# Altium PCB Stabiliser.PCBDOC (part 6 of 8) (continued)
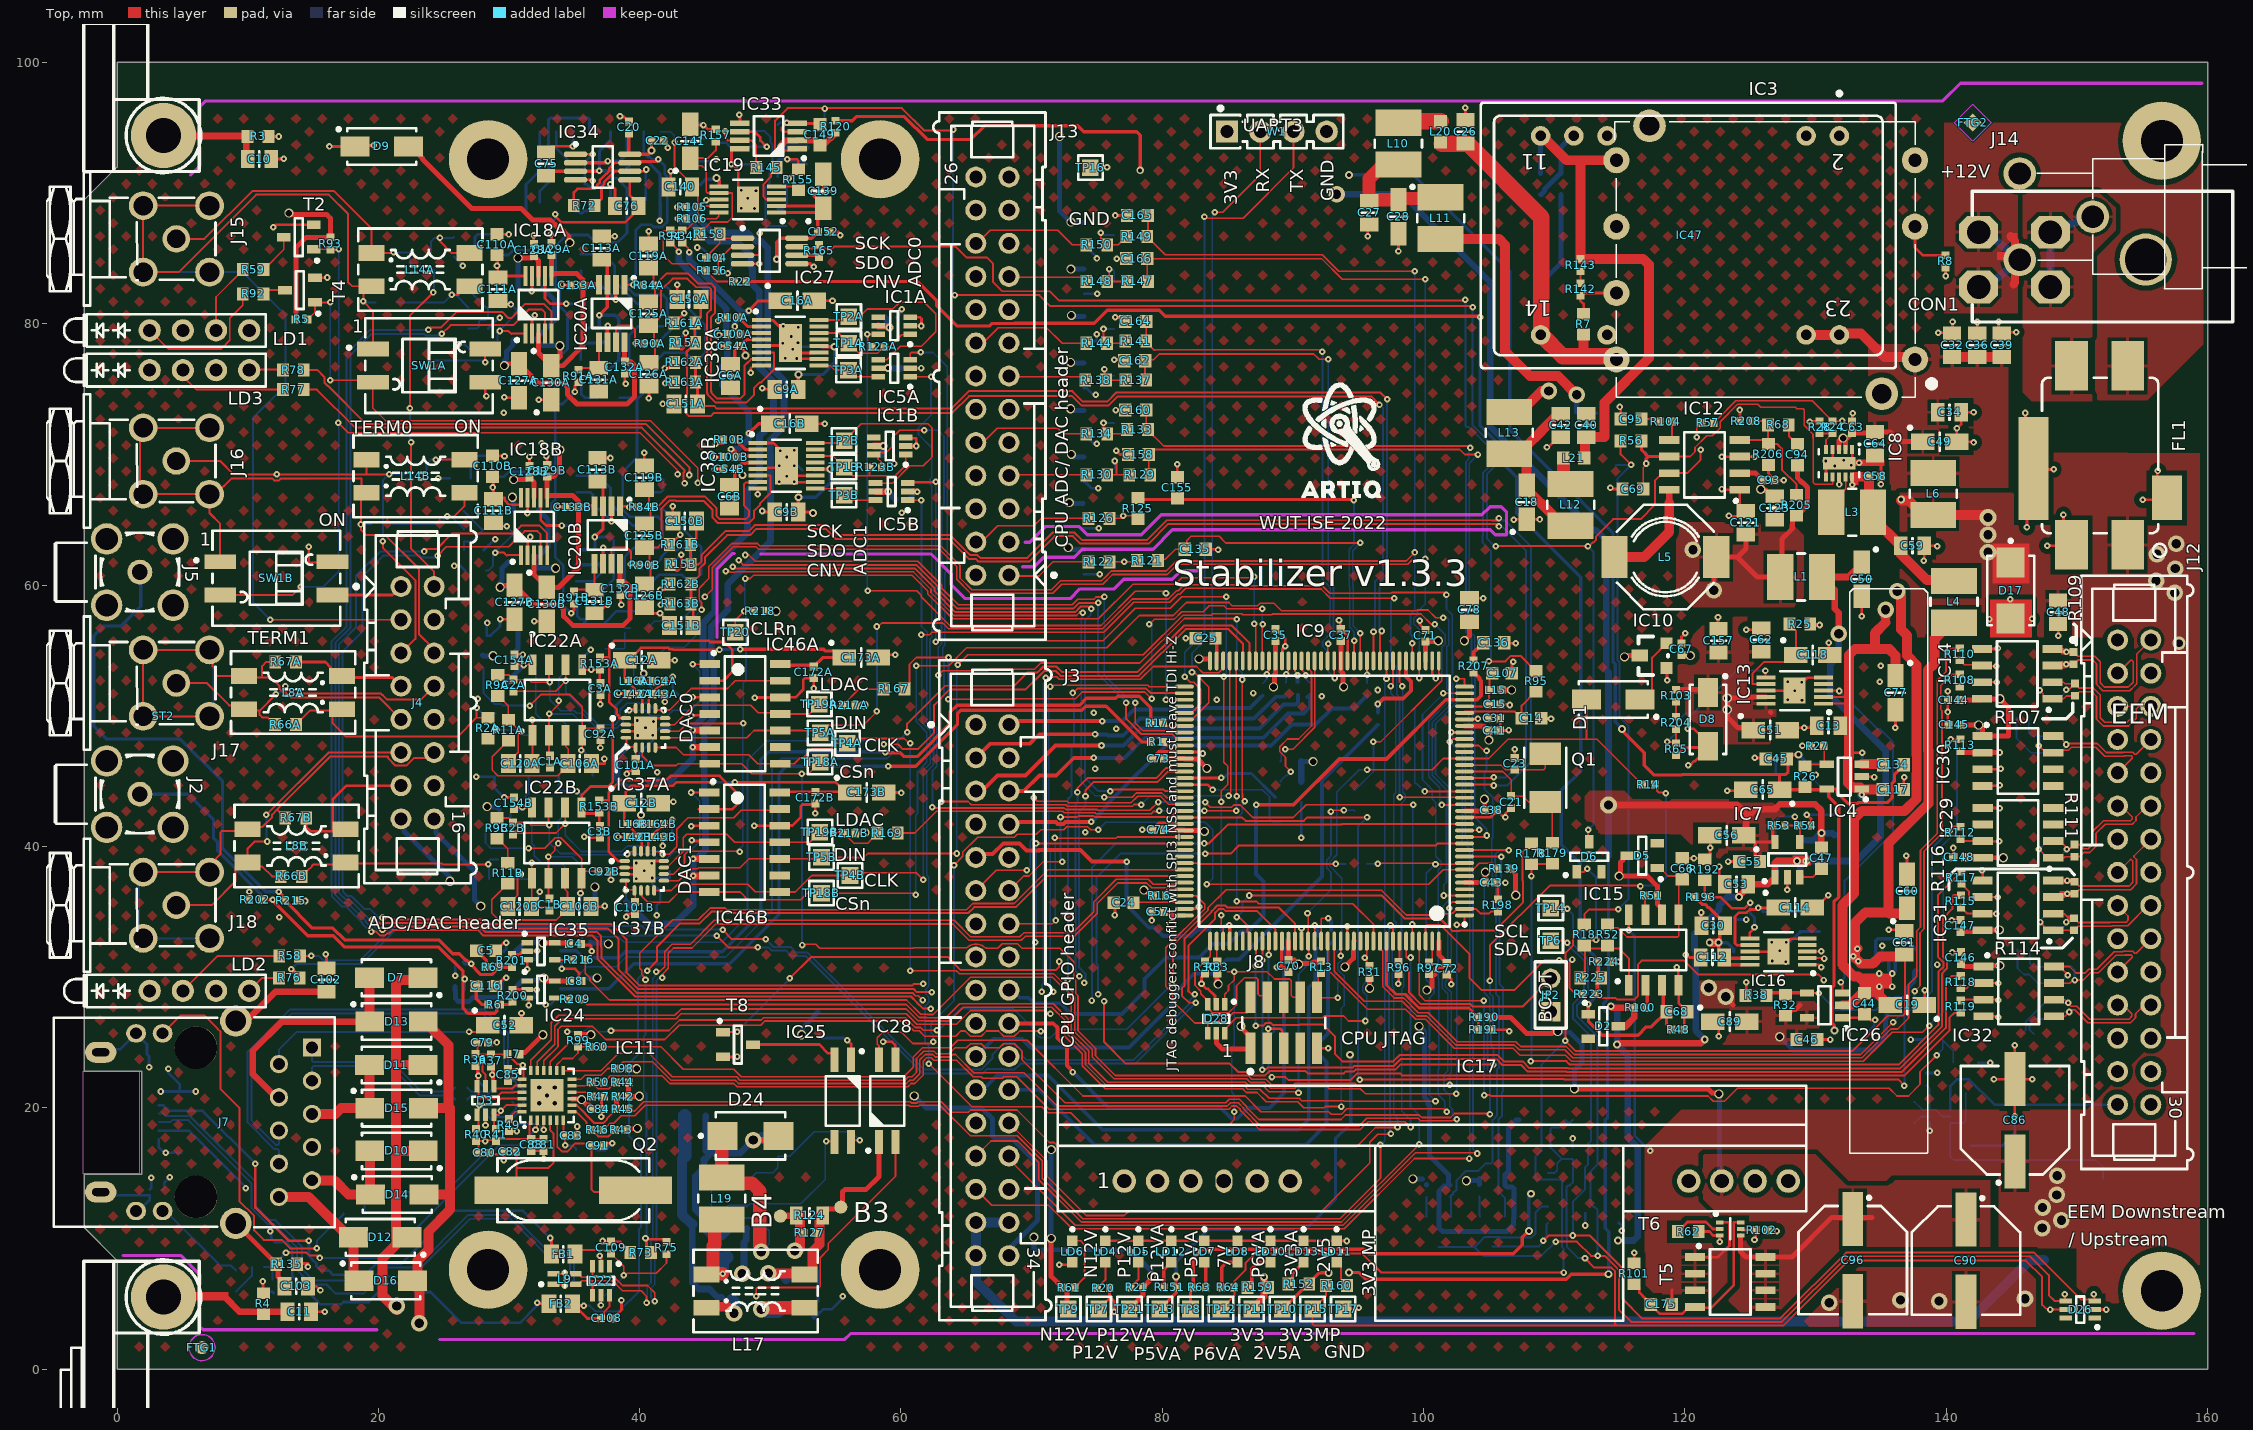
[diagram p0: Top view]
## Nets (pads, with @x,y where several pads share a name; then routed paths per layer and width w, separated by ;. In a path a pad name is that pad's centre, name@x,y a point inside that pad or via, vN(x,y) a via of type N, cw(c..) or ccw(c..) an arc to the next point about the centre after c; other vN are vias at no path point) (continued)
  L3 w0.508: v4(87.785,7.036) 89.179,7.036 90.627,8.484 111.46,8.484 113.161,10.185 113.669,10.185 113.992,9.863 114.862,9.863 v4(114.88,9.845)
  Bot w0.508: v4(114.325,27.771) 114.343,27.753 114.482,27.753 114.808,27.427 v4(114.808,24.841) 115.611,24.038 115.611,17.747 116.385,16.974 116.385,10.143 116.087,9.845 v4(114.88,9.845) ; v4(121.514,25.222) 120.816,25.92 120.816,31.416 120.848,31.448 120.848,31.971 120.727,32.092 120.727,33.313 122.637,35.224 122.637,35.526 123.235,36.124 v4(124.125,36.124) ; IC45.3@126.942,37.786 126.942,38.59 127.239,38.887 v4(128.575,38.887) v4(129.292,38.887) 133.081,38.887 134.964,40.77 134.964,43.858 135.357,44.251 135.357,47.339 131.158,51.538 131.128,51.538 131.128,53.955 131.775,54.601 v5(131.775,56.288) ; 128.821,38.617 128.821,37.807 IC45.1@128.842,37.786
P3V3SW: IC12.8 L5.1 | length 8.2
  Top w0.508: 118.799,66.278 IC12.8@118.799,67.298
  Top w0.762: L5.1@114.6,62.145 116.882,62.145 118.799,64.062 118.799,66.278
P5V0A: C6A.2 C6B.2 C20.2 C22.2 C30.2 C54A.2 C54B.2 C112.2 C115.1 C122.2 C139.1 C152.2 IC16.9 IC16.10 IC19.1 IC19.2 IC19.6 IC27.8 IC34.8 IC38A.4 IC38B.4 L16A.1 L16B.1 R151.1 R164A.1 R164B.1 R193.2 TP13.1 | length 201.2
  Top w0.254: C20.2@39.171,94.575 39.171,93.051 IC34.8@39.246,92.976 40.686,92.976 40.64,93.022 40.887,93.269 v4(40.913,93.269) C22.2@40.913,94.001 ; L16A.1@40.043,52.642 L16A.1@40.158,52.642 ; v4(40.111,42.407) 39.998,42.407 L16B.1@39.998,41.704 R164B.1@40.904,41.704 ; v4(40.31,53.238) 40.31,53.049 40.03,52.77 L16A.1@40.158,52.642 ; R164A.1@40.949,52.642 L16A.1@40.158,52.642 ; IC19.6@46.087,90.515 46.087,90.948 ; C6A.2@47.246,77.036 47.286,77.076 47.286,77.955 C54A.2@47.622,78.291 ; C6B.2@47.25,67.643 47.29,67.683 47.29,68.561 ; v4@47.69,68.515 C54B.2@47.321,68.883 47.394,68.883 47.815,69.305 48.106,69.305 48.169,69.368 48.467,69.368 48.471,69.372 IC38B.4@49.175,69.372 ; v4(48.104,77.572) 48.104,77.809 C54A.2@47.622,78.291 ; IC38A.4@49.337,78.794 48.191,78.794 48.191,78.787 48.042,78.638 47.97,78.638 C54A.2@47.622,78.291 ; IC19.1@50.487,88.515 C139.1@53.635,88.515 ; IC19.2@50.487,89.015 53.45,89.015 53.635,88.83 C139.1@53.635,88.515 ; v4(50.495,84.938) 50.495,86.233 50.812,86.55 IC27.8@52.03,86.55 53.155,86.55 C152.2@53.635,87.03 C139.1@53.635,88.515 ; v4(53.345,90.094) 53.345,89.757 54.046,89.056 C139.1@54.046,88.83 53.95,88.83 C139.1@53.635,88.515 ; TP13.1@79.818,4.597 81.059,5.839 R151.1@81.059,6.25 v4(81.059,7.095) ; R193.2@120.765,36.124 120.765,36.104 121.309,35.56 121.557,35.56 121.792,35.325 121.848,35.325 123.062,34.111 C30.2@123.062,33.936 122.664,33.538 122.664,32.821 122.576,32.733 v4(122.576,32.639) 122.576,31.936 122.608,31.904 122.608,31.493 C112.2@122.65,31.451 ; C112.2@122.755,31.255 122.739,31.345 122.739,31.773 122.905,31.607 122.993,31.694 123.006,31.681 C112.2@123.006,31.506 123.054,31.506 123.035,31.483 122.978,31.41 122.815,31.207 122.699,31.06 122.811,30.948 IC16.10@124.962,30.948 ; C112.2@122.839,31.54 C112.2@122.931,31.448 ; C112.2@123.125,31.448 IC16.9@124.962,31.448
  L3 w0.254: v4(40.111,42.407) 40.111,47.515 38.555,49.071 38.555,51.092 40.31,52.846 v4(40.31,53.238) 40.31,54.424 43.544,57.658 43.544,58.465 43.693,58.614 44.788,58.614 44.791,58.611 46.016,58.611 46.602,59.197 46.602,60.004 48.586,61.988 48.586,66.577 47.904,67.259 47.904,71.34 47.846,71.399 47.846,74.678 47.996,74.828 47.996,76.596 48.133,76.733 48.133,80.366 47.676,80.823 47.676,82.118 v4(50.495,84.938) ; v4(40.913,93.269) 40.913,92.388 42.139,91.162 v4(45.873,91.162) 46.933,91.162 47.173,91.402 50.442,91.402 51.75,90.094 v4(53.345,90.094) ; 63.813,21.976 64.395,21.976 65.189,22.769 70.307,22.769 ; 64.698,20.15 69.324,20.15 ; 64.875,22.88 64.782,22.973 64.782,23.183 64.676,23.289 64.676,24.357 65.293,24.974 69.31,24.974 69.522,24.762 ; 85.201,23.5 89.053,23.5 89.713,22.84 98.124,22.84 98.124,22.708 98.419,22.413 98.837,22.413 99.132,22.708 99.132,22.84 101.205,22.84 101.392,22.653 110.179,22.653 120.165,32.639 v4(121.895,32.639)
  Bot w0.254: C122.2@44.653,90.642 45.076,91.065 45.683,91.065 45.78,91.162 v4(45.873,91.162) ; v4(81.059,7.095) 81.059,8.212 83.56,10.713 90.974,10.713 93.25,12.989 93.25,17.618 94.427,18.794 94.427,24.006 v4(94.378,24.055) ; v4(121.895,32.639) v4(122.576,32.639) 122.588,32.627 123.225,32.627 123.723,32.129 C115.1@123.723,31.949
  other v4: 47.879,68.414
P6SW: IC8.9 L3.1 | length 3.2
  Top w0.127: L3.1@131.2,65.578 131.2,66.278 132.3,67.378 IC8.9@132.3,68.278
P6V0: C58.2 C59.2 IC8.8 IC8.10 L3.2 L4.1 R24.2 R57.2 | length 36.1
  Top w0.127: R57.2@122.212,72.415 122.212,72.435 122.439,72.662 122.459,72.662 123.897,74.1 129.747,74.1 R24.2@131.3,72.548 132.02,72.548 v1(132.05,72.578) ; v1(132.8,67.678) IC8.10@132.8,68.278 133.189,68.278 C58.2@134.1,68.278 ; 134.1,68.003 C58.2@134.1,68.278 ; C58.2@134.1,68.328 C58.2@134.1,68.278
  Top w0.762: 132.994,68.278 C58.2@134.1,68.328 ; 134.1,68.003 134.1,65.878 L3.2@134.4,65.578 134.4,65.131 C59.2@136.514,63.017 136.514,62.393 138.532,60.376 L4.1@140.487,60.376
  L3 w0.127: v1(131.8,67.705) 132.773,67.705 v1(132.8,67.678) 133.842,68.719 133.842,73.281 133.336,73.787 132.309,73.787 132.05,73.528 v1(132.05,72.578)
P6V0A: C60.1 C61.2 D4.3 IC16.1 IC16.2 IC16.3 L4.2 R18.2 R56.2 R64.1 TP12.1 | length 182
  Top w0.152: TP12.1@84.493,4.597 85.519,5.622 85.519,6.73 86.358,7.569 86.358,8.1 87.096,8.838 95.307,8.838 96.754,7.391 v1(110.719,7.391) ; v1(114.884,35.179) 112.664,35.179 112.295,34.81 R18.2@112.295,34.027 112.245,34.027 111.438,33.219 111.438,32.448 110.871,31.881 110.871,25.152 v1(110.846,25.126) 111.634,24.338 132.808,24.338 135.513,27.043 136.684,27.043 136.839,27.197 136.839,31.379 C61.2@136.635,31.583 ; R56.2@115.075,71.043 115.075,70.003 v1(115.875,69.203) ; IC16.1@129.362,30.948 130.248,30.948 v1(130.442,30.754) ; IC16.2@129.362,31.448 130.647,31.448 v1(130.673,31.422) ; IC16.3@129.362,31.948 129.371,31.957 130.433,31.957 v1(130.442,31.966)
  Top w0.762: v1(133.205,32.18) v1@133.033,32.18 ; C61.2@136.779,31.727 136.635,31.583 134.936,31.583 134.374,31.021 133.48,31.021 v1(133.274,31.227) 133.033,31.468 v1@133.033,32.18 ; C60.1@136.944,34.876 135.636,34.876 135.567,34.945 ; L4.2@140.34,57.125 139.114,55.899 139.114,54.017 138.614,53.517 138.614,47.347 138.629,47.332 138.629,43.282 135.567,40.22 135.567,34.945 ; v1@133.033,32.18 133.033,34.176 133.802,34.945 135.567,34.945
  L3 w0.152: v1(130.442,30.754) 132.801,30.754 v1(133.274,31.227) ; v1(130.442,31.966) 133.178,31.966 133.274,31.871 v1(133.274,31.227) ; v1(130.673,31.422) 133.011,31.422 133.205,31.227 v1(133.274,31.227)
  Bot w0.152: v1(110.719,7.391) 110.719,9.206 110.574,9.35 110.574,14.404 110.485,14.493 108.669,14.493 108.55,14.612 108.55,16.237 109.011,16.697 109.011,23.291 v1(110.846,25.126) ; D4.3@114.725,69.203 v1(115.875,69.203) 114.821,68.149 114.821,54.279 114.986,54.115 114.986,49.911 115.697,49.2 115.697,35.992 v1(114.884,35.179)
  other v1: 132.893,31.609
P12V0: C48.2 C86.1 C175.2 D17.1 FL1.2 IC15.8 J3.31 J3.32 J3.33 L6.1 R20.2 T5.1 T5.2 T5.3 T6.1 T9.1 T9.2 T9.3 T10.1 TP7.1 | length 129.3
  Top w0.203: TP7.1@75.142,4.597 75.964,5.419 75.964,5.519 ; R20.2@75.964,6.2 75.964,5.519 ; v1(76.327,4.394) 76.327,5.156 75.964,5.519 ; IC15.8@115.704,34.779 115.704,33.598 v1(115.709,33.603) ; C175.2@118.999,4.96 118.999,6.04 119.038,6.079 ; T5.1@120.768,8.57 122.542,8.57 123.414,9.443 123.414,11.177 123.366,11.226 T6.1@122.678,11.226
  Top w0.762: v4@136.55,66.468 137.133,66.468 138.225,65.376 v5@143.307,65.376
  L3 w0.203: J3.32@68.27,11.22 J3.32@68.347,11.22
  Bot w0.203: v1(76.327,4.394) 76.378,4.343 76.378,3.632 ; v1(115.709,33.603) 116.154,33.158 116.154,17.887 v1(117.34,16.701) ; v1(138.73,18.242) T10.1@138.73,18.837
  Bot w0.762: J3.32@68.27,11.22 J3.31@65.73,11.22 J3.33@65.73,8.68 65.73,6.711 68.809,3.632 76.378,3.632 141.705,3.632 146.429,8.357 147.463,8.357
  other v4: 136.55,66.544
  other v5: 147.336,10.792 148.815,11.384 147.372,12.37 148.445,13.332 148.488,14.808 157.48,59.411 156.059,60.325 157.531,61.265 156.125,62.357 143.192,62.512 157.607,63.17 143.192,63.845 143.192,65.176
  other v7: 157.8,55.55
P12V0_CHA: C98A.1 C154A.2 D21A.2 IC22A.8 L2A.2 | length 7.4
  Top w0.127: C154A.2@30.502,53.91 IC22A.8@31.797,53.91
  Bot w0.381: D21A.2@29.931,52.459 29.931,52.692 v1(31.115,53.876) 30.871,54.12 30.81,54.12 30.477,54.452 30.477,54.923 30.707,55.152 L2A.2@30.707,57.724
P12V0_CHB: C98B.1 C154B.2 D21B.2 IC22B.8 L2B.2 | length 6.2
  Top w0.127: C154B.2@30.457,42.972 IC22B.8@31.752,42.972
  Bot w0.152: D21B.2@30.107,41.309 30.107,42.682 L2B.2@30.207,42.782 30.814,42.782 v1(31.035,43.002) 31.249,43.216 31.249,43.831 31.496,44.079 C98B.1@31.496,45.322
P12V0_EEM: J12.28 J12.29 T9.5 T9.6 T9.7 T9.8 T10.4 | length 15.7
  Bot w0.203: T10.4@140.31,19.837 140.31,21.671 140.818,22.179 141.741,22.179 143.682,20.238 J12.29@153.114,20.238
P12V0A: C51.1 C62.2 C127A.1 C127B.1 C128A.2 C128B.2 C132A.2 C132B.2 C157.2 D8.1 D19A.2 D19B.2 D20A.2 D20B.2 IC13.9 IC13.10 IC18A.8 IC18B.8 IC20A.8 IC20B.8 J4.15 J13.25 L2A.1 L2B.1 R21.2 R70.2 R71.2 R103.2 TP21.1 | length 322.1
  Top w0.381: v2(29.317,59.84) 29.456,59.978 C127B.1@30.427,59.978 31.881,58.524 33.802,58.524 34.189,58.137 34.189,57.614 34.908,56.896 38.709,56.896 39.272,57.459 39.272,59.85 38.969,60.153 C132B.2@38.533,60.153 38.495,60.191 IC20B.8@38.495,61.636 ; v2(29.651,76.804) 29.79,76.943 C127A.1@30.761,76.943 32.215,75.489 34.136,75.489 34.483,75.143 34.483,74.579 35.201,73.861 39.044,73.861 39.606,74.424 39.606,76.815 39.303,77.118 C132A.2@38.867,77.118 38.83,77.156 IC20A.8@38.83,78.601 ; v2(30.354,68.072) 31.415,68.072 C128B.2@31.567,68.224 31.927,67.864 IC18B.8@31.927,66.695 ; v2(30.689,85.037) 31.749,85.037 C128A.2@31.901,85.189 32.261,84.829 IC18A.8@32.261,83.659 ; TP21.1@77.48,4.597 77.48,4.602 78.508,5.631 R21.2@78.508,6.25 79.172,6.913 v2(79.172,7.112) ; R103.2@119.329,52.003 121.533,52.003 D8.1@121.76,51.777 ; C51.1@125.642,49.096 124.061,49.096 123.241,49.916 v2(123.241,50.47) v2(123.241,51.359) 124.879,51.359 124.943,51.423 IC13.9@126.191,51.423 ; 126.542,50.292 126.597,50.237
  L3 w0.381: v2(25.476,37.338) 20.345,32.207 20.345,17.594 25.314,12.626 44.02,12.626 44.495,12.151 49.057,12.151 49.428,12.522 59.868,12.522 62.287,10.103 v2@70.028,10.103 ; v2@25.552,37.338 25.552,37.802 28.296,40.545 28.296,47.892 26.746,49.441 26.746,57.269 v2(29.317,59.84) 30.384,60.907 30.384,68.042 v2(30.354,68.072) 30.354,76.101 v2(29.651,76.804) ; v2(30.689,85.037) 30.689,85.123 30.861,85.295 30.861,86.954 31.614,87.706 34.059,87.706 34.668,88.316 40.44,88.316 41.735,89.611 43.023,89.611 44.378,88.256 52.576,88.256 52.965,88.646 61.163,88.646 65.126,92.608 66.901,92.608 J13.25@68.27,91.24 ; v2(70.171,10.103) v2@70.028,10.103 ; 100.377,16.101 94.935,16.101 94.323,16.713 92.143,16.713 91.892,16.463 91.422,16.463 91.172,16.713 72.829,16.713 70.028,13.912 v2@70.028,10.103 ; 110.084,17.932 118.747,26.596 123.706,26.596 125.779,28.668 125.779,30.399 ; v2(123.241,51.359) 122.453,50.571 122.453,40.259 123.299,39.413 123.533,39.413 123.866,39.081 123.866,38.611 123.469,38.214 123.469,32.709
  Bot w0.381: J4.15@21.73,42.11 21.958,41.882 21.958,41.161 25.415,37.704 25.415,37.359 25.476,37.298 v2(25.476,37.338) ; v2(28.321,43.053) 28.346,43.028 29.041,43.028 L2B.1@29.287,42.782 ; v2(29.651,76.804) 29.651,77.157 29.794,77.3 29.794,77.864 30.293,78.363 D20A.2@30.293,78.759 ; D20B.2@29.959,61.794 29.459,61.295 29.459,60.335 29.317,60.192 v2(29.317,59.84) 30.291,59.84 30.707,59.423 L2A.1@30.707,58.644 ; v2(30.257,66.724) 30.354,66.627 D19B.2@30.354,65.759 ; D19A.2@30.689,82.724 v2(30.689,85.037) ; v2(70.171,10.103) 70.171,9.2 70.237,9.134 77.531,9.134 79.172,7.493 v2(79.172,7.112) ; v2(99.174,14.556) R71.2@99.931,14.556 ; R71.2@100.205,14.094 R71.2@100.227,14.116 ; v2(103.273,14.419) 104.106,14.419 104.286,14.599 104.286,14.144 R70.2@104.281,14.138
P12V0F: CON1.3 CON1.4 FL1.1 J14.3 | length 11.8
  Top w0.635: 144.924,86.701 145.26,86.365 145.26,85.257 J14.3@145.617,84.9 145.26,84.543 145.26,83.131 145.144,83.016
  Bot w0.635: CON1.4@142.471,82.816 143.653,83.31 J14.3@145.617,84.9 143.653,86.523 CON1.3@142.471,87.016
P12V0FIL: C32.2 C34.2 C36.2 C39.2 C49.1 C63.2 C64.2 C93.2 C123.2 IC3.1 IC8.2 IC8.3 IC12.2 IC47.22 IC47.23 L6.2 | length 33.7
  Top w0.381: IC12.2@124.199,68.568 125.412,68.568 C93.2@125.908,68.072 ; C93.2@125.966,68.025 125.859,67.918 125.859,67.397 v2(125.798,67.336) 125.859,67.275 126.174,67.275 126.321,67.127 126.549,67.127 C123.2@126.884,66.793 ; IC8.3@131.8,70.378 131.8,71.059 132.105,71.364 v2(132.105,71.257) v2@132.3,71.063 ; IC8.2@132.3,70.378 v2@132.3,71.063 ; C49.1@138.2,70.976 136.454,70.976 135.702,71.728 C64.2@134.55,71.728 134.45,71.628 C63.2@132.8,71.628 132.3,71.128 v2@132.3,71.063
  Top w0.762: IC47.22@129.277,79.148 IC47.23@131.817,79.148 131.917,79.248 133.476,79.248 135.261,77.463 137.423,77.463 IC3.1@137.61,77.276 ; C32.2@140.441,77.456 C36.2@142.376,77.456 C39.2@144.241,77.456
  L3 w0.381: v2(125.798,67.336) 127.818,67.336 130.55,70.068 131.24,70.068 v2@132.242,71.07
P12V0POE: C90.1 C96.1 IC17.8 R190.2 T5.5 T5.6 T5.7 T5.8 T6.4 | length 42.3
  Top w0.381: R190.2@105.114,26.919 106.65,26.919 107.869,25.7 109.817,25.7 109.893,25.776 110.203,25.776 v2(110.264,25.837) ; v2(111.538,21.445) 121.766,21.445 122.085,21.126 122.539,21.126 v2(122.6,21.065) ; T6.4@124.258,10.226 124.258,8.99 124.678,8.57 T5.8@126.168,8.57 128.196,8.57 131.239,11.613 134.3,11.613
  Bot w0.381: v2(110.264,25.837) 110.321,25.78 111.185,25.78 112.136,24.828 112.136,23.464 111.538,22.866 v2(111.538,21.445) ; v2(122.6,21.065) 122.661,21.004 122.661,14.556 IC17.8@122.826,14.391
P13V0: C13.2 C29.2 C77.1 C117.2 IC4.1 IC13.1 IC13.2 IC43.1 IC43.3 L11.2 | length 82.5
  Top w0.152: IC13.1@130.591,50.923 132.243,50.923 132.558,51.238 132.373,51.423 IC13.2@130.591,51.423
  Top w0.203: 132.508,53.517 132.558,53.567 ; 132.558,47.332 132.714,47.176 v1(133.558,47.176)
  Top w0.762: L11.2@101.3,86.486 105.789,86.486 106.235,86.039 106.235,77.893 108.132,75.997 110.287,75.997 v5(111.709,74.574) ; C117.2@135.142,44.346 133.592,44.346 IC4.1@133.542,44.396 133.436,44.502 132.842,44.502 132.484,44.86 132.484,46.781 132.558,46.855 132.558,47.332 132.558,51.238 132.558,53.567 132.558,54.654 133.004,55.1 134.531,55.1 ; 135.357,57.144 134.531,56.318 134.531,55.1 ; v5@135.357,57.545 v5@135.357,57.83 ; 135.637,55.1 134.531,55.1 ; 135.642,55.096 136.119,54.619 C77.1@136.119,53.065
  L3 w0.762: v5(111.709,74.574) 113.055,74.574 114.253,73.377 114.253,73.321 114.697,72.877 121.312,72.877 123.682,70.507 123.682,66.938 124.13,66.49 124.13,65.017 128.847,60.3 133.172,60.3 v5(135.357,58.115)
  Bot w0.127: C29.2@111.634,73.191 C29.2@111.709,73.266
  Bot w0.203: IC43.1@133.542,46.296 133.558,46.312 v1(133.558,47.176)
  Bot w0.381: C29.2@111.709,73.266 v5(111.709,74.574)
  Bot w0.762: v1(133.542,43.942) IC43.3@133.542,44.396
P13V0FIL: C27.2 C28.1 L10.2 L11.1 | length 9.9
  Top w1.016: C28.1@98.074,89.5 96.103,89.5 96.003,89.4 C27.2@95.828,89.4 95.828,91.104 96.632,91.908 97.79,91.908 L10.2@98.074,92.191 ; C28.1@98.107,89.534 98.166,89.593 101.207,89.593 L11.1@101.3,89.686
P13V0S: C26.2 IC3.7 IC47.14 L20.1 R7.2 R226.2 | length 38.5
  Top w0.762: 109.017,80.3 109.046,80.271 ; 112.25,77.519 R7.2@112.25,79.176
  Top w1.27: L20.1@101.4,93.791 C26.2@103.2,93.791 ; C26.2@103.374,93.791 109.017,88.148 109.017,80.3 109.001,80.284 109.001,79.192 IC47.14@108.957,79.148 109.019,79.148 110.647,77.519 112.25,77.519 114.309,77.519 114.552,77.276 IC3.7@114.75,77.276
  Bot w0.381: IC47.14@108.957,79.148 108.957,83.102 110.5,84.646 R226.2@110.5,89.9
PA0/UART4_TX: IC9.34 J3.18 R207.2 | length 55.3
  Top w0.298: v1(87.185,43.188) 90.055,43.188 93.562,46.694 97.163,46.694 101.695,51.227 IC9.34@103.134,51.227 ; IC9.34@103.134,51.227 104.089,51.227 104.395,51.533 104.395,52.652 104.269,52.778 104.269,52.885 103.85,53.304 R207.2@103.83,53.304
  Bot w0.298: J3.18@68.27,29 68.518,29 69.096,28.423 69.759,28.423 70.185,27.997 72.204,27.997 73.015,27.186 76.92,27.186 78.65,28.916 78.65,29.843 80.303,31.496 82.825,31.496 83.85,32.521 85.048,32.521 86.018,33.49 86.566,33.49 87.741,34.665 87.741,37.322 87.185,37.878 v1(87.185,43.188)
PC2_ADC3_IN1_N: IC9.28 J3.29 | length 75.1
  Top w0.127: J3.29@65.73,13.76 66.942,12.548 71.297,12.548 73.101,10.744 93.931,10.744 99.301,16.114 v1(103.5,16.114) ; v1(102,48) 102.227,48.227 IC9.28@103.134,48.227
  Bot w0.127: v1@101.94,48.069 v1@102,48.01 ; v1(102,48) v1@102,48.01 ; v1(103.5,16.114) 103.527,16.141 103.527,39.834 102.945,40.416 102.945,47.065 v1@102,48.01
PC3_ADC3_IN1_P: IC9.29 J3.28 | length 74.6
  Top w0.127: J3.28@68.27,16.3 68.27,16.071 73.342,10.998 93.826,10.998 99.382,16.554 104.055,16.554 v1(104.109,16.5) ; v1(102.106,48.727) IC9.29@103.134,48.727
  Bot w0.127: v1(102.106,48.727) 102.106,48.516 103.199,47.424 103.199,40.646 103.782,40.063 103.782,16.827 v1(104.109,16.5)
PHY_RD_N: D3.1 IC11.22 R40.2 R222.1 | length 11
  Top w0.152: R40.2@27.427,18.389 27.468,18.389 27.681,18.603 D3.1@27.681,19.482 ; D3.1@27.493,19.482 D3.1@27.681,19.482 ; D3.1@27.711,19.751 v1@27.711,20.142 ; v1(27.711,20.193) v1@27.711,20.142 ; IC11.22@31.005,20.695 29.372,20.695 28.946,20.269 27.838,20.269 v1@27.711,20.142 ; D3.1@27.681,19.482 27.681,19.751 27.695,19.765 27.695,20.126 v1@27.711,20.142
  Bot w0.152: v1(27.711,20.193) 27.805,20.193 28.079,19.92 28.245,19.92 28.353,19.812 28.353,19.423 28.795,18.982 30.042,18.982 30.844,19.783 30.844,20.151 31.121,20.428 R222.1@31.141,20.428
PHY_RD_P: D3.3 IC11.23 R41.2 R221.1 | length 7.5
  Top w0.152: R41.2@28.997,18.399 28.977,18.399 28.845,18.531 D3.3@28.845,19.455 29.223,19.455 29.223,19.53 29.364,19.671 v1(29.364,19.765) 29.794,20.195 IC11.23@31.005,20.195
  Bot w0.152: v1(29.364,19.765) 28.747,19.765 28.658,19.676 28.658,19.549 28.921,19.286 29.916,19.286 30.539,19.909 30.539,20.151 30.262,20.428 R221.1@30.242,20.428
PHY_TD_N: D3.4 IC11.20 R37.1 R220.1 | length 9.4
  Top w0.152: R37.1@28.807,23.337 R37.1@28.616,23.146 28.631,23.146 R37.1@28.825,22.953 ; D3.4@28.845,21.655 28.845,22.932 R37.1@28.825,22.953 ; IC11.20@31.005,21.695 30.458,21.695 30.225,21.463 28.813,21.463 28.695,21.345 28.695,22.523 v1(28.714,22.542) 28.714,22.842 R37.1@28.825,22.953
  Bot w0.152: R220.1@26.822,20.625 26.822,20.645 27.11,20.933 28.255,20.933 28.651,21.329 28.651,21.361 28.753,21.463 v1@28.753,22.542
PHY_TD_P: D3.6 IC11.21 R36.1 R199.1 | length 10.6
  Top w0.152: R36.1@27.427,23.198 27.545,23.08 v1@27.545,22.446 ; D3.6@27.545,21.655 D3.6@27.545,22.019 ; R36.1@27.555,22.98 27.665,22.87 v1(27.665,22.446) ; IC11.21@31.005,21.195 30.389,21.195 30.352,21.158 29.415,21.158 28.984,20.726 27.813,20.726 27.665,20.875 D3.6@27.665,22.047 ; D3.6@27.545,22.019 v1@27.545,22.446 ; D3.6@27.545,22.019 27.567,21.996 27.641,22.07 D3.6@27.665,22.047 ; v1@27.545,22.446 v1(27.665,22.446) ; D3.6@27.665,22.047 v1(27.665,22.446)
  Bot w0.152: R199.1@26.822,21.545 26.822,21.525 27.11,21.238 28.129,21.238 28.27,21.379 28.27,21.416 27.63,22.057 27.63,22.411 v1(27.665,22.446)
POE_IN1: D7.2 D13.1 J7.7 | length 17.8
  Top w0.508: J7.7@12.39,20.8 12.167,20.8 10.386,22.581 10.386,24.363 12.619,26.596 D13.1@19.346,26.596
  Top w0.762: D7.2@19.327,29.95 19.327,26.615 D13.1@19.346,26.596
POE_IN2: D10.2 D14.1 J7.2 | length 8.3
  Top w0.762: J7.2@14.93,14.45 16.62,14.45 17.711,13.36 D14.1@19.401,13.36 19.346,13.415 D10.2@19.346,16.701
POE_IN3: D11.2 D15.1 J7.6 | length 7.9
  Top w0.762: J7.6@14.93,19.53 16.707,19.53 17.141,19.965 D15.1@19.351,19.965 19.327,19.99 D11.2@19.327,23.265
POE_IN4: D12.2 D16.1 J7.1 | length 10.5
  Top w0.762: J7.1@12.39,13.18 14.675,13.18 17.772,10.084 D12.2@18.097,10.084 18.097,7.15 18.491,6.756 D16.1@18.517,6.756
PoE_SRC_Status: IC9.136 R190.1 R191.2 | length 12.4
  Top w0.203: IC9.136@97.159,32.752 97.159,29.399 97.87,28.688 98.594,28.688 99.652,27.63 103.462,27.63 103.965,27.127 103.985,27.127 104.174,26.939 R190.1@104.174,26.919 104.168,26.913 104.168,25.982 R191.2@104.162,25.976
POE_VC+: D7.1 D10.1 D11.1 D12.1 D24.1 L19.1 R140.2 | length 88.4
  Top w0.381: 21.664,29.771 21.844,29.95 D7.1@23.427,29.95
  Top w0.762: v5(21.412,4.826) 21.412,4.533 20.332,5.613 20.332,8.504 21.347,9.518 D12.1@21.347,10.084 ; D12.1@22.197,10.084 D12.1@21.347,10.084 ; D11.1@23.427,23.265 21.347,23.265 ; D7.1@23.427,29.95 23.247,29.771 21.664,29.771 21.347,29.453 21.347,23.265 ; D10.1@23.446,16.701 21.347,16.701 ; D12.1@21.347,10.084 21.347,16.701 ; 21.347,16.701 21.347,23.265
  Top w1.016: D24.1@46.338,17.845 46.279,17.786 L19.1@46.279,14.656 46.703,14.231 48.604,14.231 49.199,13.636 v5@49.199,9.481
  L3 w1.016: v5@21.844,4.773 22.084,5.013 23.42,5.013 25.496,2.937 42.619,2.937 44.495,4.812 44.495,7.737 45.735,8.977 v5(49.299,8.977)
  Bot w0.127: R140.2@45.631,14.503 45.471,14.343 45.471,13.005 45.471,11.902 45.621,11.752 45.621,11.472 45.695,11.398 47.58,11.398 47.749,11.567 48.952,11.567 49.923,10.596 49.923,9.601 v5(49.299,8.977)
POE_VC-: D13.2 D14.2 D15.2 D16.2 D24.2 R19.1 R29.1 R146.1 R166.1 R184.1 T7.2 | length 81.8
  Top w0.381: 25.493,19.965 25.494,19.964
  Top w0.508: v5(48.692,17.526) 50.319,17.526 D24.2@50.638,17.845
  Top w0.762: v5(23.134,3.503) 23.134,6.705 23.012,6.827 23.336,7.15 23.012,7.15 23.012,8.306 23.836,9.129 23.836,10.541 25.494,12.199 25.494,19.964 25.361,20.097 25.361,24.794 23.836,26.32 D13.2@23.836,26.543 ; D15.2@23.451,19.965 25.493,19.965 ; D14.2@23.501,13.36 25.342,13.36
  L3 w1.016: v5(23.134,3.503) 23.134,2.926 23.825,2.235 24.005,2.235 24.487,1.753 43.052,1.753 45.638,4.339 45.638,4.925 47.442,6.73
  Bot w0.508: R29.1@45.05,19.393 R19.1@45.05,17.845 45.05,16.725 R166.1@45.25,16.525 ; v5(47.84,7.305) 47.985,7.45 47.985,7.981 47.988,7.983 47.988,9.707 48.149,9.868 R184.1@48.149,10.747 ; R184.1@48.184,10.782 R184.1@48.149,10.747 ; R146.1@50.579,17.894 49.266,17.894 48.898,17.526 v5(48.692,17.526) 47.691,16.525 R166.1@45.25,16.525 ; R166.1@45.25,16.525 45.25,16.3 45.029,16.079 44.952,16.079 44.927,16.054 44.927,15.412 44.25,14.735 44.25,12.214 44.69,11.774 44.719,11.774 44.943,11.551 44.943,10.684 45.484,10.143 T7.2@46.337,10.143 46.941,10.747 R184.1@48.149,10.747
QSPI_CLK: J3.8 R12.1 | length 31.5
  Top w0.298: J3.8@68.43,41.86 71.856,41.86 71.991,41.724 72.427,41.724 72.588,41.885 v1(74.574,41.885)
  Bot w0.298: v1(74.574,41.885) 75.783,43.093 75.783,43.249 75.788,43.254 76.229,43.695 76.24,43.695 80.272,47.727 88.338,47.727 89.931,49.32 91.734,49.32 92.976,50.562 94.672,50.562 95.515,51.406 95.515,51.426 95.656,51.567 R12.1@95.676,51.567
QSPI_IO0: J3.6 R186.2 | length 26.6
  Top w0.298: J3.6@68.27,44.24 69.398,44.24 70.599,45.441 71.882,45.441 73.221,46.78 v1(74.748,46.78)
  Bot w0.298: v1(74.748,46.78) 77.114,46.78 78.654,48.32 87.741,48.32 89.6,50.179 90.8,50.179 91.288,50.666 R186.2@91.288,51.6 ; R186.2@91.127,51.439 R186.2@91.127,51.459
QSPI_IO1: J3.5 R187.2 | length 28
  Top w0.298: J3.5@65.73,44.24 66.082,44.24 66.352,44.51 66.456,44.51 67.386,45.441 69.528,45.441 71.814,47.727 v1(75.346,47.727)
  Bot w0.298: v1(75.346,47.727) 77.031,47.727 78.327,49.023 87.453,49.023 89.281,50.851 90.202,50.851 90.376,51.025 R187.2@90.376,51.595
QSPI_IO2: J3.3 R188.2 | length 25.7
  Top w0.298: J3.3@65.73,46.78 66.806,47.856 69.846,47.856 70.58,48.59 v1(74.854,48.59)
  Bot w0.298: v1(74.854,48.59) 74.879,48.565 75.768,48.565 75.837,48.496 77.014,48.496 78.302,49.784 87.02,49.784 88.69,51.454 89.264,51.454 89.296,51.486 R188.2@89.408,51.486
QSPI_IO3: J3.2 R189.2 | length 20.3
  Top w0.298: J3.2@68.27,49.32 68.543,49.593 v1(75.417,49.593)
  Bot w0.298: v1(75.417,49.593) 76.949,49.593 77.824,50.469 82.977,50.469 83.103,50.595 86.713,50.595 87.52,51.401 87.52,51.408 87.648,51.537 R189.2@87.655,51.537
QSPI_NCS: J3.9 R185.1 | length 23.4
  Top w0.298: J3.9@65.73,39.16 65.979,39.409 66.535,39.409 66.556,39.43 67.018,39.43 67.824,40.236 69.069,40.236 69.604,39.701 70.551,39.701 70.577,39.727 73.739,39.727 74.625,38.841 v1(77.269,38.841)
  Bot w0.298: v1(77.269,38.841) 77.269,35.505 78.965,33.808 79.367,33.808 80.043,33.132 82.213,33.132 82.718,33.637 R185.1@83.601,33.637
RD_N: J7.3 R222.2 | length 36.7
  Bot w0.152: J7.3@12.39,15.72 12.39,16.749 12.301,16.838 12.048,16.838 10.004,18.882 10.004,24.292 13.244,27.531 28.099,27.531 28.773,26.858 29.231,26.4 29.94,25.69 29.94,22.769 30.048,22.661 30.357,22.352 30.576,22.352 30.844,22.084 30.844,21.645 31.121,21.368 R222.2@31.141,21.368
RD_P: J7.5 R221.2 | length 35.2
  Bot w0.152: J7.5@12.39,18.26 12.39,17.232 12.301,17.143 12.174,17.143 10.309,19.008 10.309,24.166 13.37,27.227 27.973,27.227 28.468,26.732 28.907,26.292 29.635,25.564 29.635,22.643 29.725,22.554 30.231,22.047 30.45,22.047 30.539,21.958 30.539,21.645 30.262,21.368 R221.2@30.242,21.368
REF_P1V7066: IC34.7 R72.2 R85A.1 R85B.1 RN2A.5 RN2A.8 RN2B.5 RN2B.8 RN4.7 | length 67.5
  Top w0.203: R72.2@34.965,89.04 34.965,90.064 35.225,90.324 36.526,90.324 36.754,90.552 36.754,90.613 36.957,90.816 36.957,91.005 37.431,91.478 37.455,91.478 37.662,91.685 37.662,91.896 38.092,92.326 IC34.7@39.246,92.326 39.347,92.427 41.305,92.427 41.417,92.538 v1(41.417,92.597)
  L3 w0.203: v1@41.356,92.597 v1(41.417,92.597)
  Bot w0.203: R85B.1@37.376,57.105 37.376,57.155 38.229,58.008 39.997,58.008 40.545,58.556 RN2B.8@40.545,59.029 39.216,59.029 38.842,59.404 38.842,62.156 39.525,62.839 RN2B.5@40.545,62.839 41.521,62.839 41.758,63.076 41.758,64.888 41.418,65.227 39.252,65.227 38.714,65.766 38.714,68.686 39.802,69.774 39.802,74.345 ; R85A.1@38.48,74.345 39.802,74.345 ; RN4.7@40.306,94.701 40.306,93.058 40.624,92.74 40.789,92.74 40.932,92.597 v1(41.417,92.597) 41.911,92.103 41.911,91.478 42.105,91.284 42.105,87.783 41.727,87.405 41.054,87.405 40.89,87.569 40.092,87.569 39.71,87.187 39.71,83.865 39.044,83.199 39.044,82.802 39.646,82.201 41.802,82.201 42.088,81.915 42.088,79.997 41.895,79.804 RN2A.5@40.88,79.804 39.859,79.804 39.213,79.158 39.213,76.332 39.551,75.994 RN2A.8@40.88,75.994 40.88,75.29 39.935,74.345 39.802,74.345
REF_P2V048: IC34.1 R91A.1 R91B.1 RN3.6 RN4.3 | length 54.8
  Top w0.203: v1(34.757,57.849) 34.971,58.063 R91B.1@34.971,58.57 ; v1(35.05,74.814) 35.05,75.279 R91A.1@35.305,75.534 ; IC34.1@35.096,92.976 36.384,92.976 v1(36.396,92.964)
  Bot w0.203: RN3.6@33.627,94.701 33.627,93.427 34.676,92.378 35.81,92.378 ; v1(34.757,57.849) 34.142,58.464 34.142,60.991 34.142,61.175 34.142,61.534 33.528,62.148 33.528,65.562 33.248,65.842 33.248,66.238 33.528,66.518 33.528,69.895 33.305,70.118 33.305,70.597 33.528,70.82 33.528,73.867 ; v1(35.05,74.814) 34.103,73.867 33.528,73.867 ; v1(36.396,92.964) 35.81,92.378 ; 33.528,73.867 33.528,77.135 34.476,78.083 34.476,78.139 34.476,80.743 33.892,81.327 33.892,82.497 33.583,82.806 33.583,85.975 34.405,86.798 36.062,86.798 36.643,86.217 38.3,86.217 39.036,86.953 RN4.3@39.036,89.301 39.036,90.366 38.254,91.148 37.568,91.148 36.873,90.453 36.198,90.453 35.982,90.67 35.81,90.67 35.81,92.378
REF_P4V096: C140.2 IC19.9 IC19.10 R22.1 R34.1 R94.1 R105.1 R106.1 R154.2 R156.1 RN4.8 | length 25.2
  Top w0.127: v1(42.668,93.878) 42.672,93.875 42.672,92.016 43.809,90.88 43.809,90.13 44.124,90.13 44.44,89.814 44.44,88.933 44.44,87.951 44.287,87.798 44.197,87.798 43.686,87.288 43.434,87.288 R34.1@43.26,87.114 ; 42.718,87.114 42.343,87.114 41.887,87.114 41.813,87.04 41.813,85.264 42.476,84.6 43.833,84.6 44.373,84.06 R156.1@45.08,84.06 45.904,83.236 R22.1@47.231,83.236 47.231,83.256 46.803,83.684 46.803,83.794 v1(46.731,83.866) ; 42.718,87.152 42.731,87.165 R34.1@43.26,87.165 ; R106.1@44.555,88.045 45.866,88.045 46.064,88.243 46.064,88.492 IC19.10@46.087,88.515 ; R105.1@44.555,88.933 44.636,89.015 IC19.9@46.087,89.015
  Bot w0.127: RN4.8@41.576,94.701 42.357,94.701 42.668,94.39 v1(42.668,93.878) ; v1(46.731,83.866) 46.731,83.914 47.019,84.201 R154.2@47.019,85.094